# Altium PCB ALCT_MEZ_SPARTAN6T.PcbDoc (part 1 of 12) (continued)
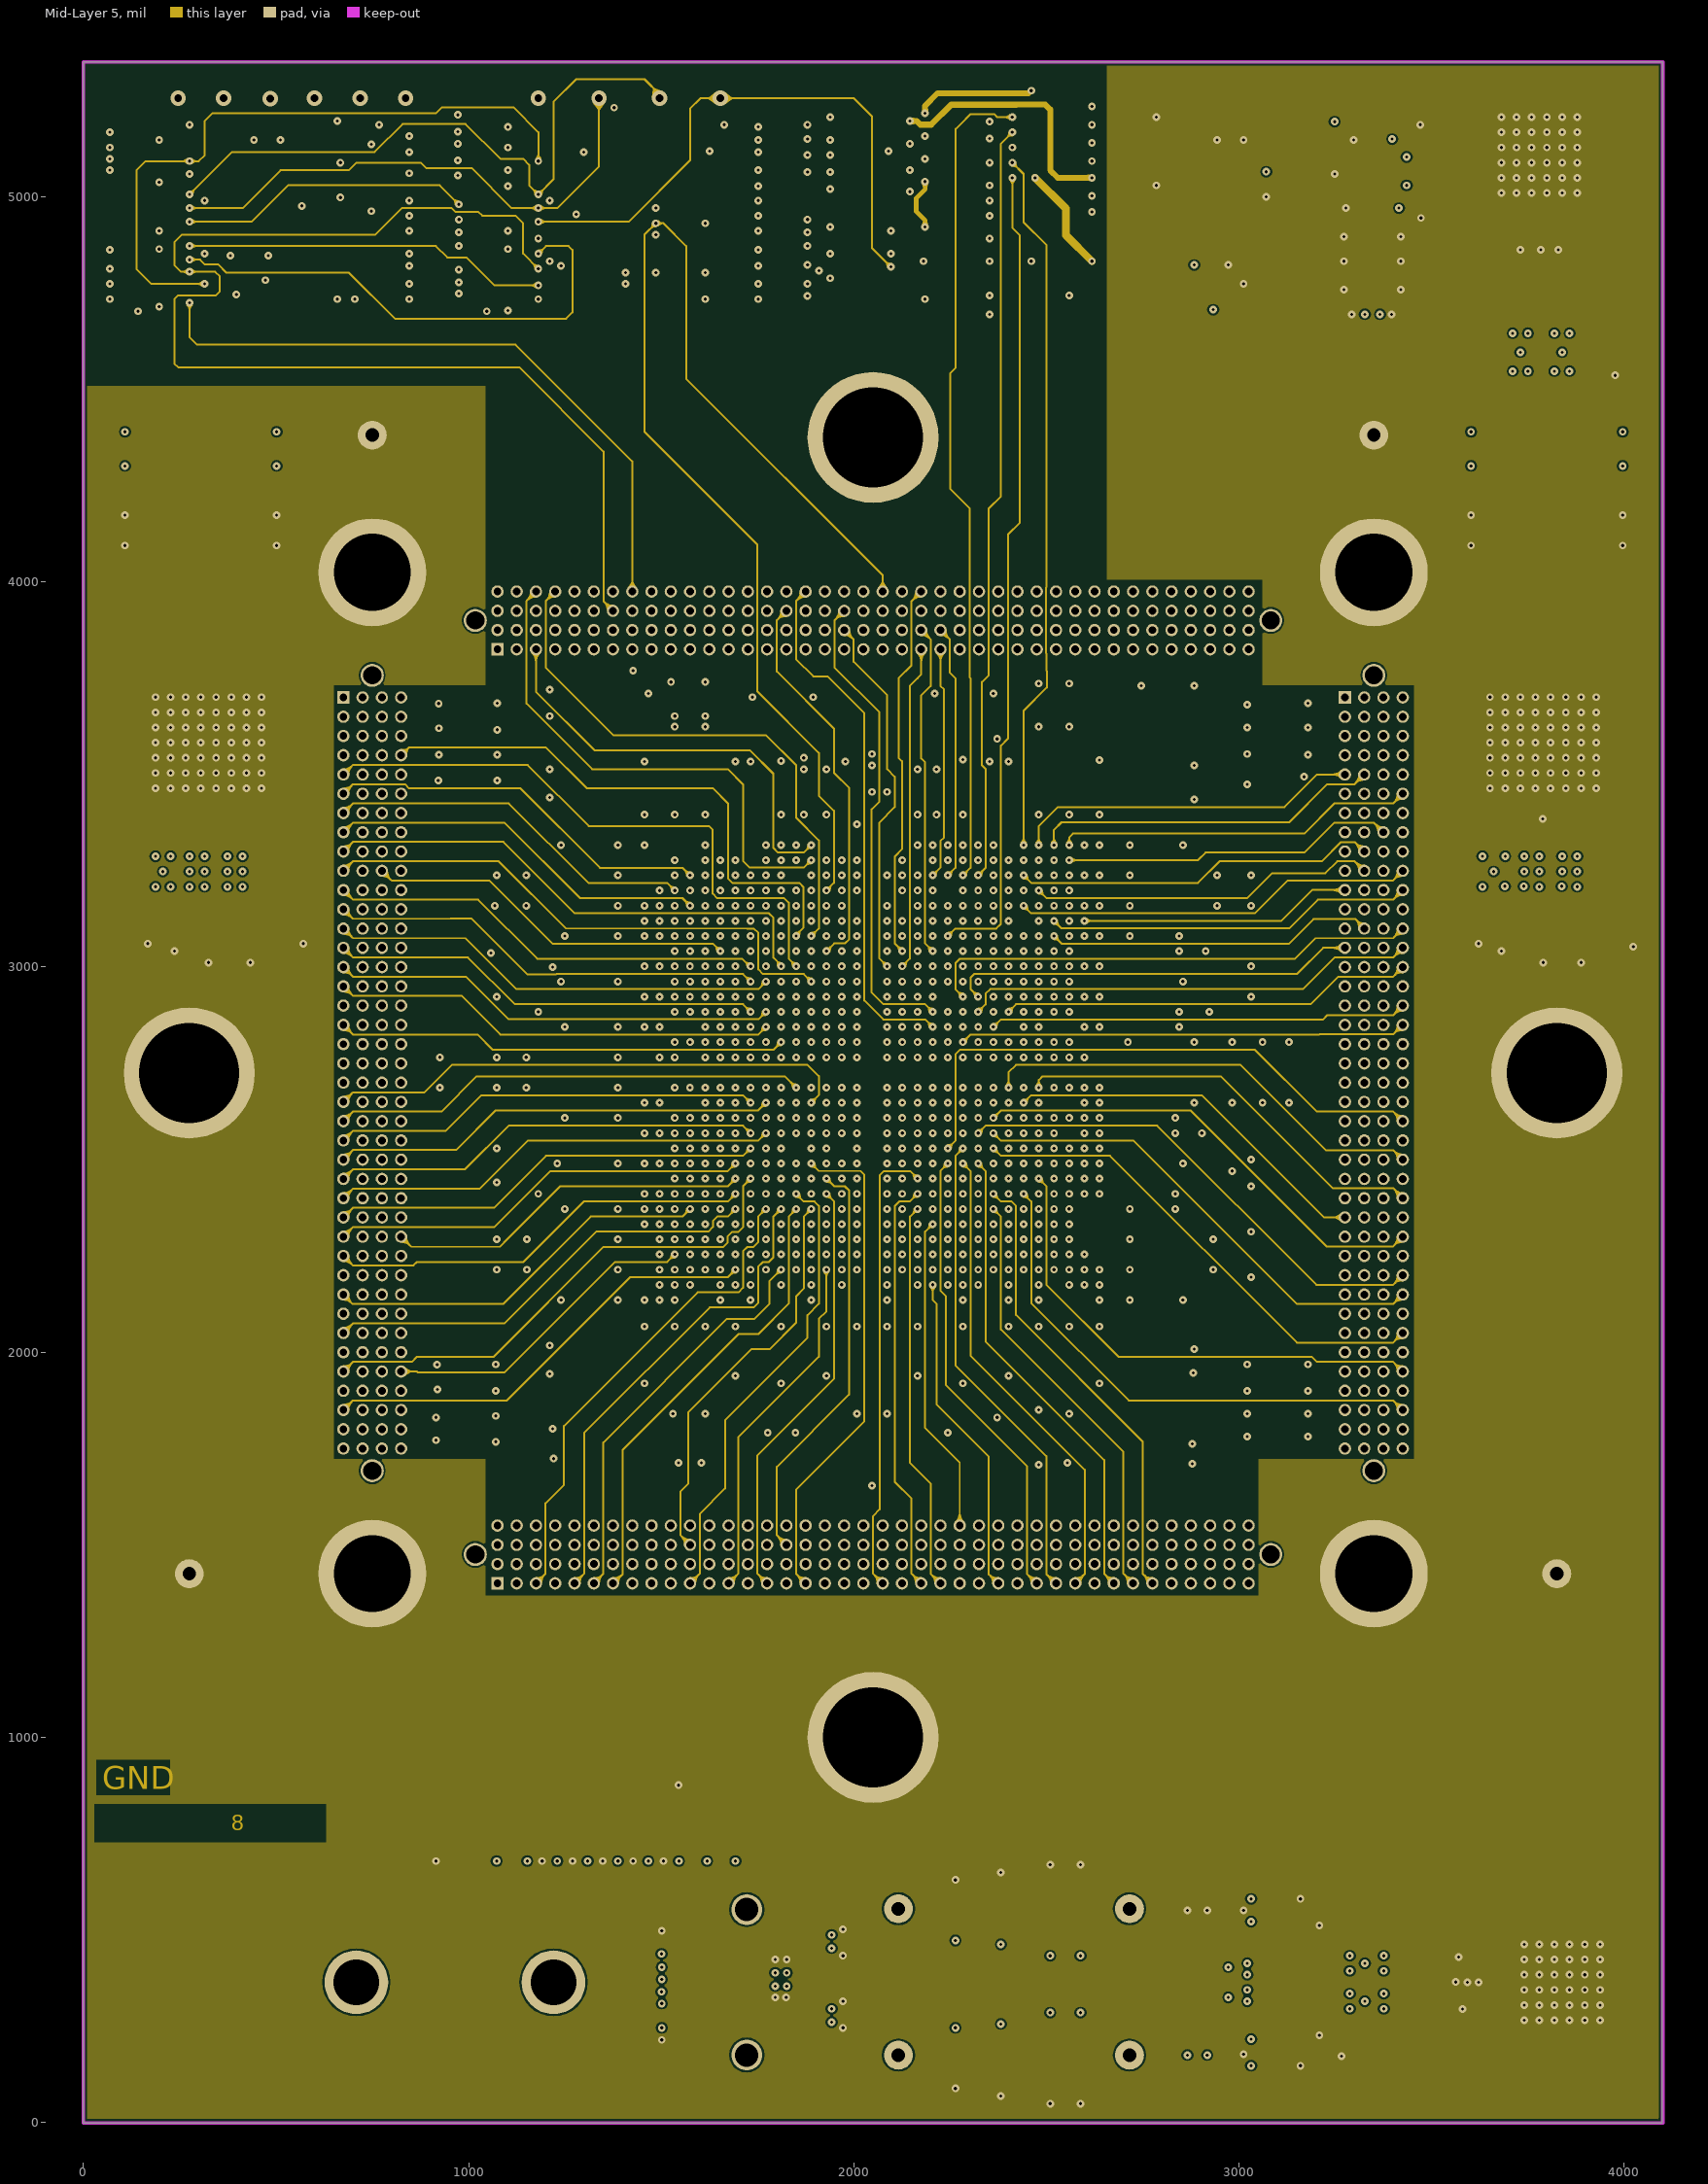
[diagram p8: Mid-Layer 5]
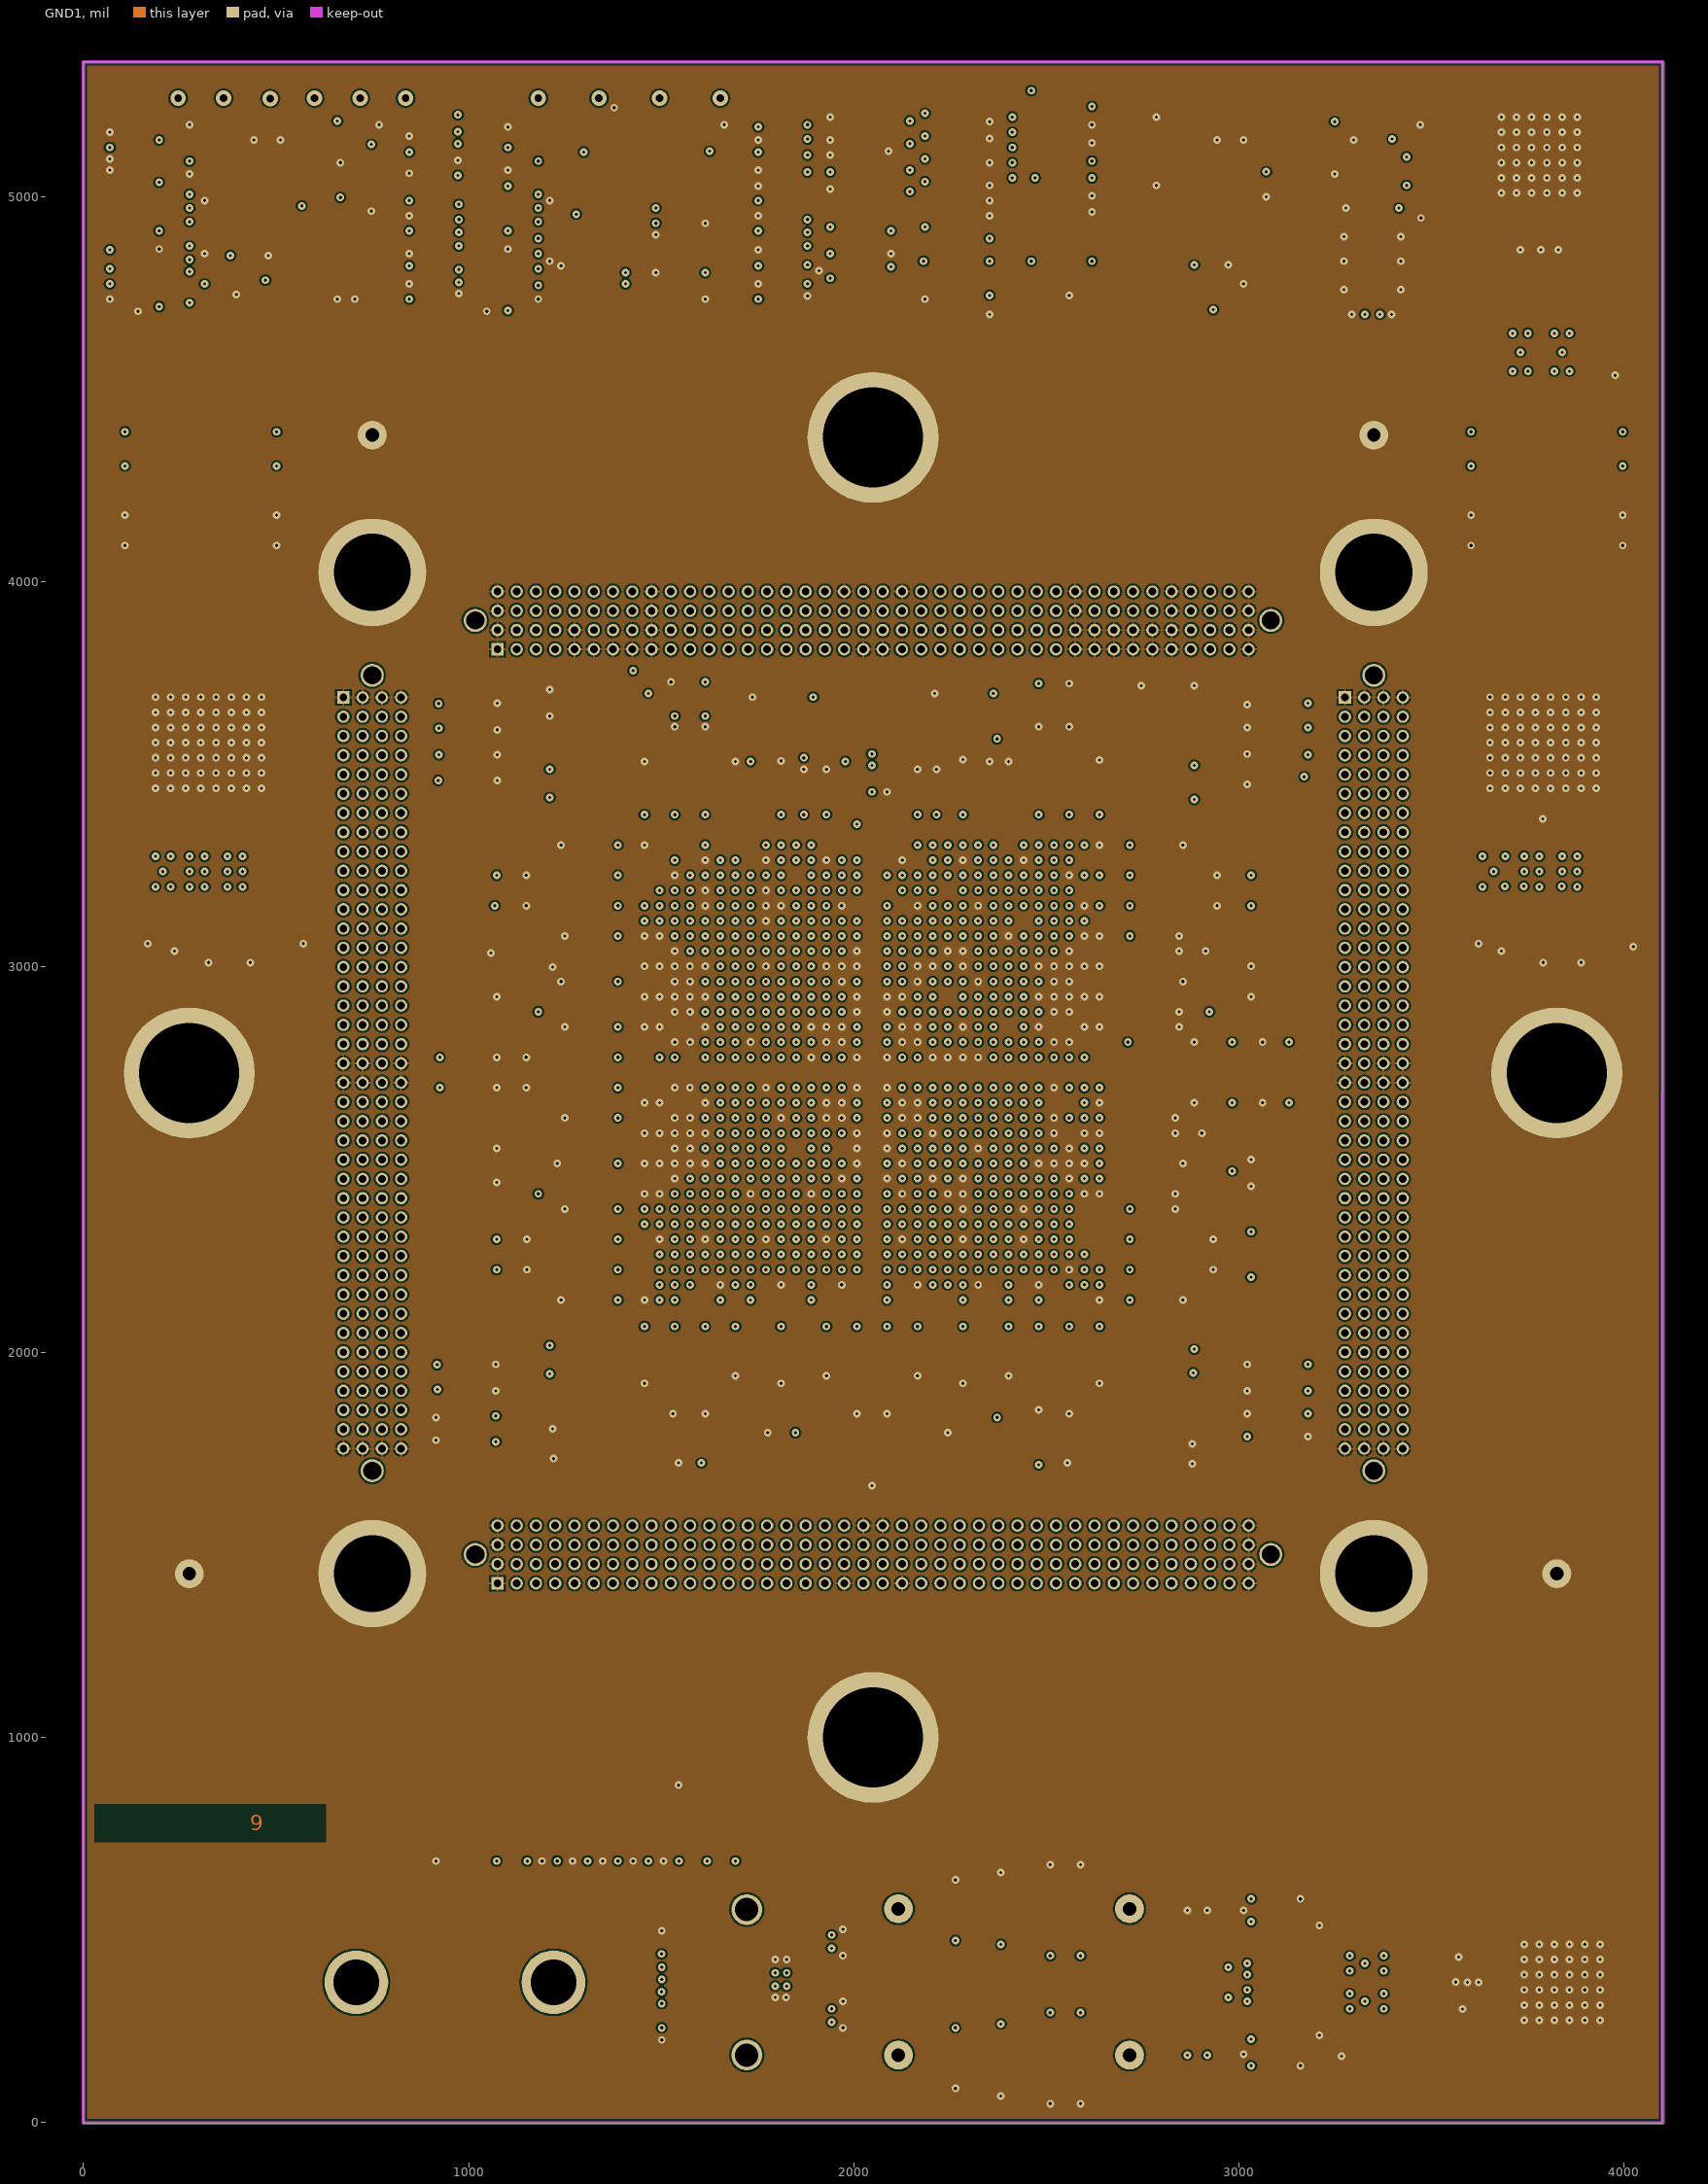
[diagram p9: GND1]
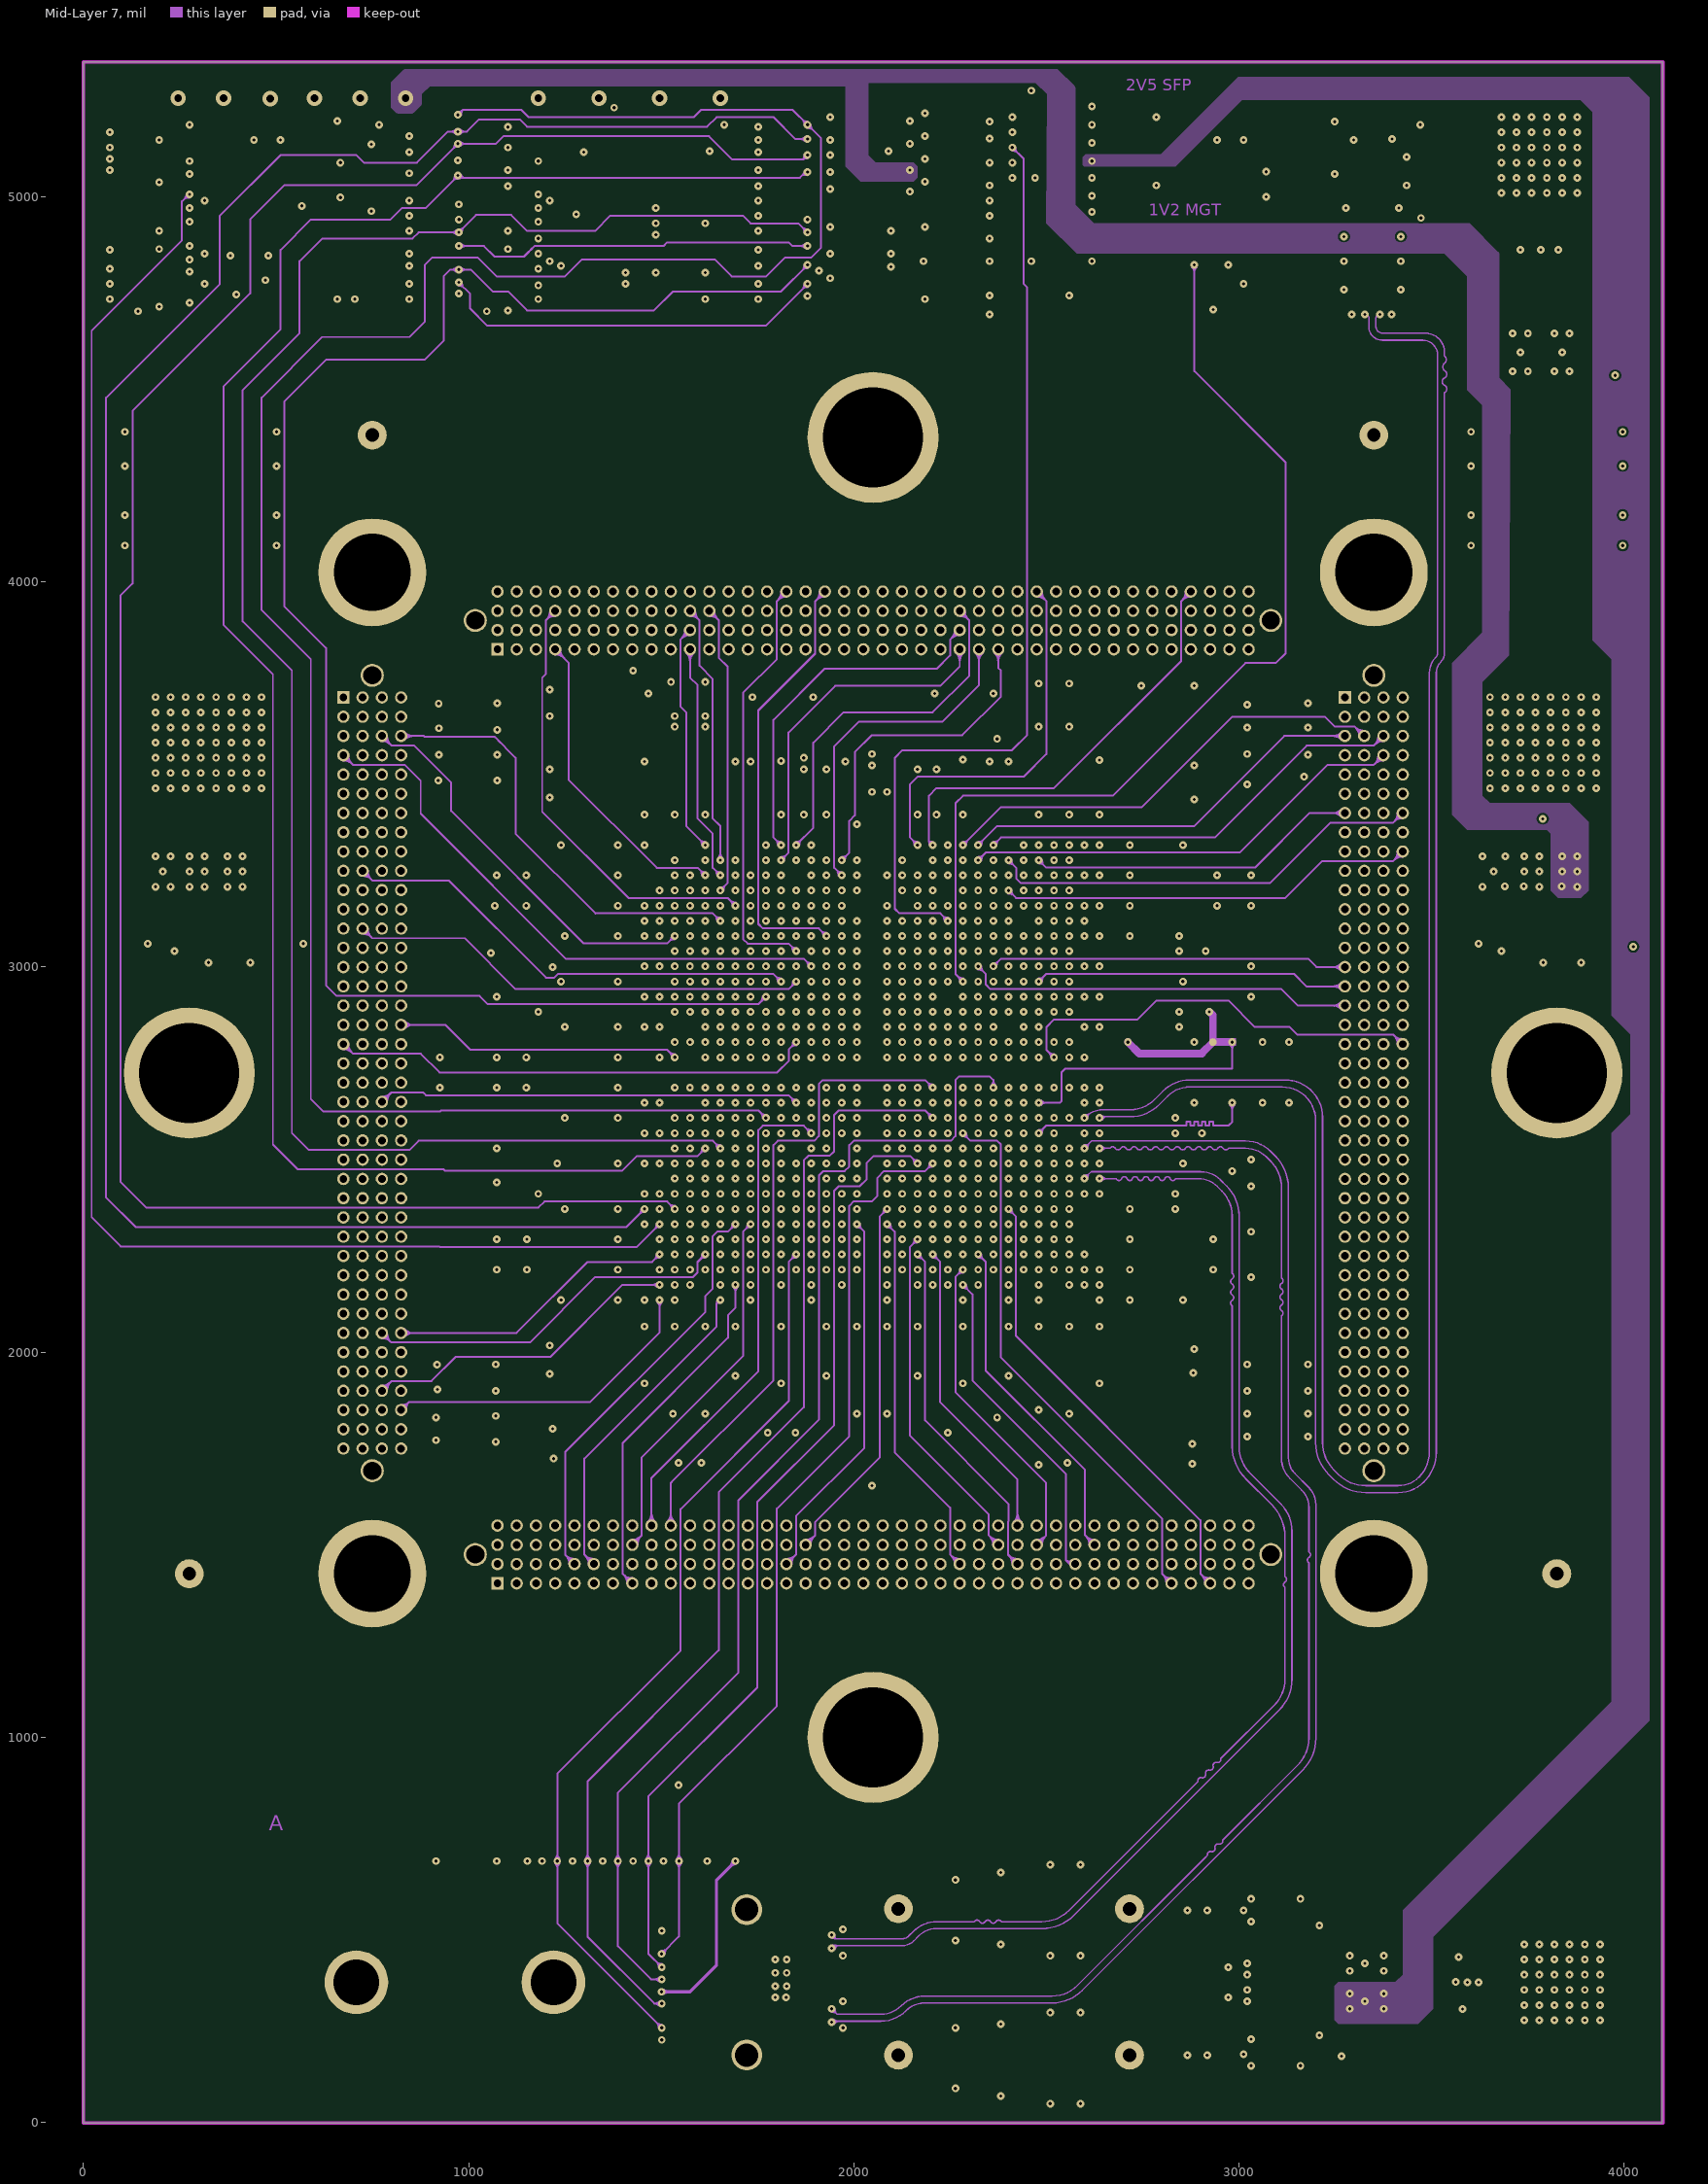
[diagram p10: Mid-Layer 7]
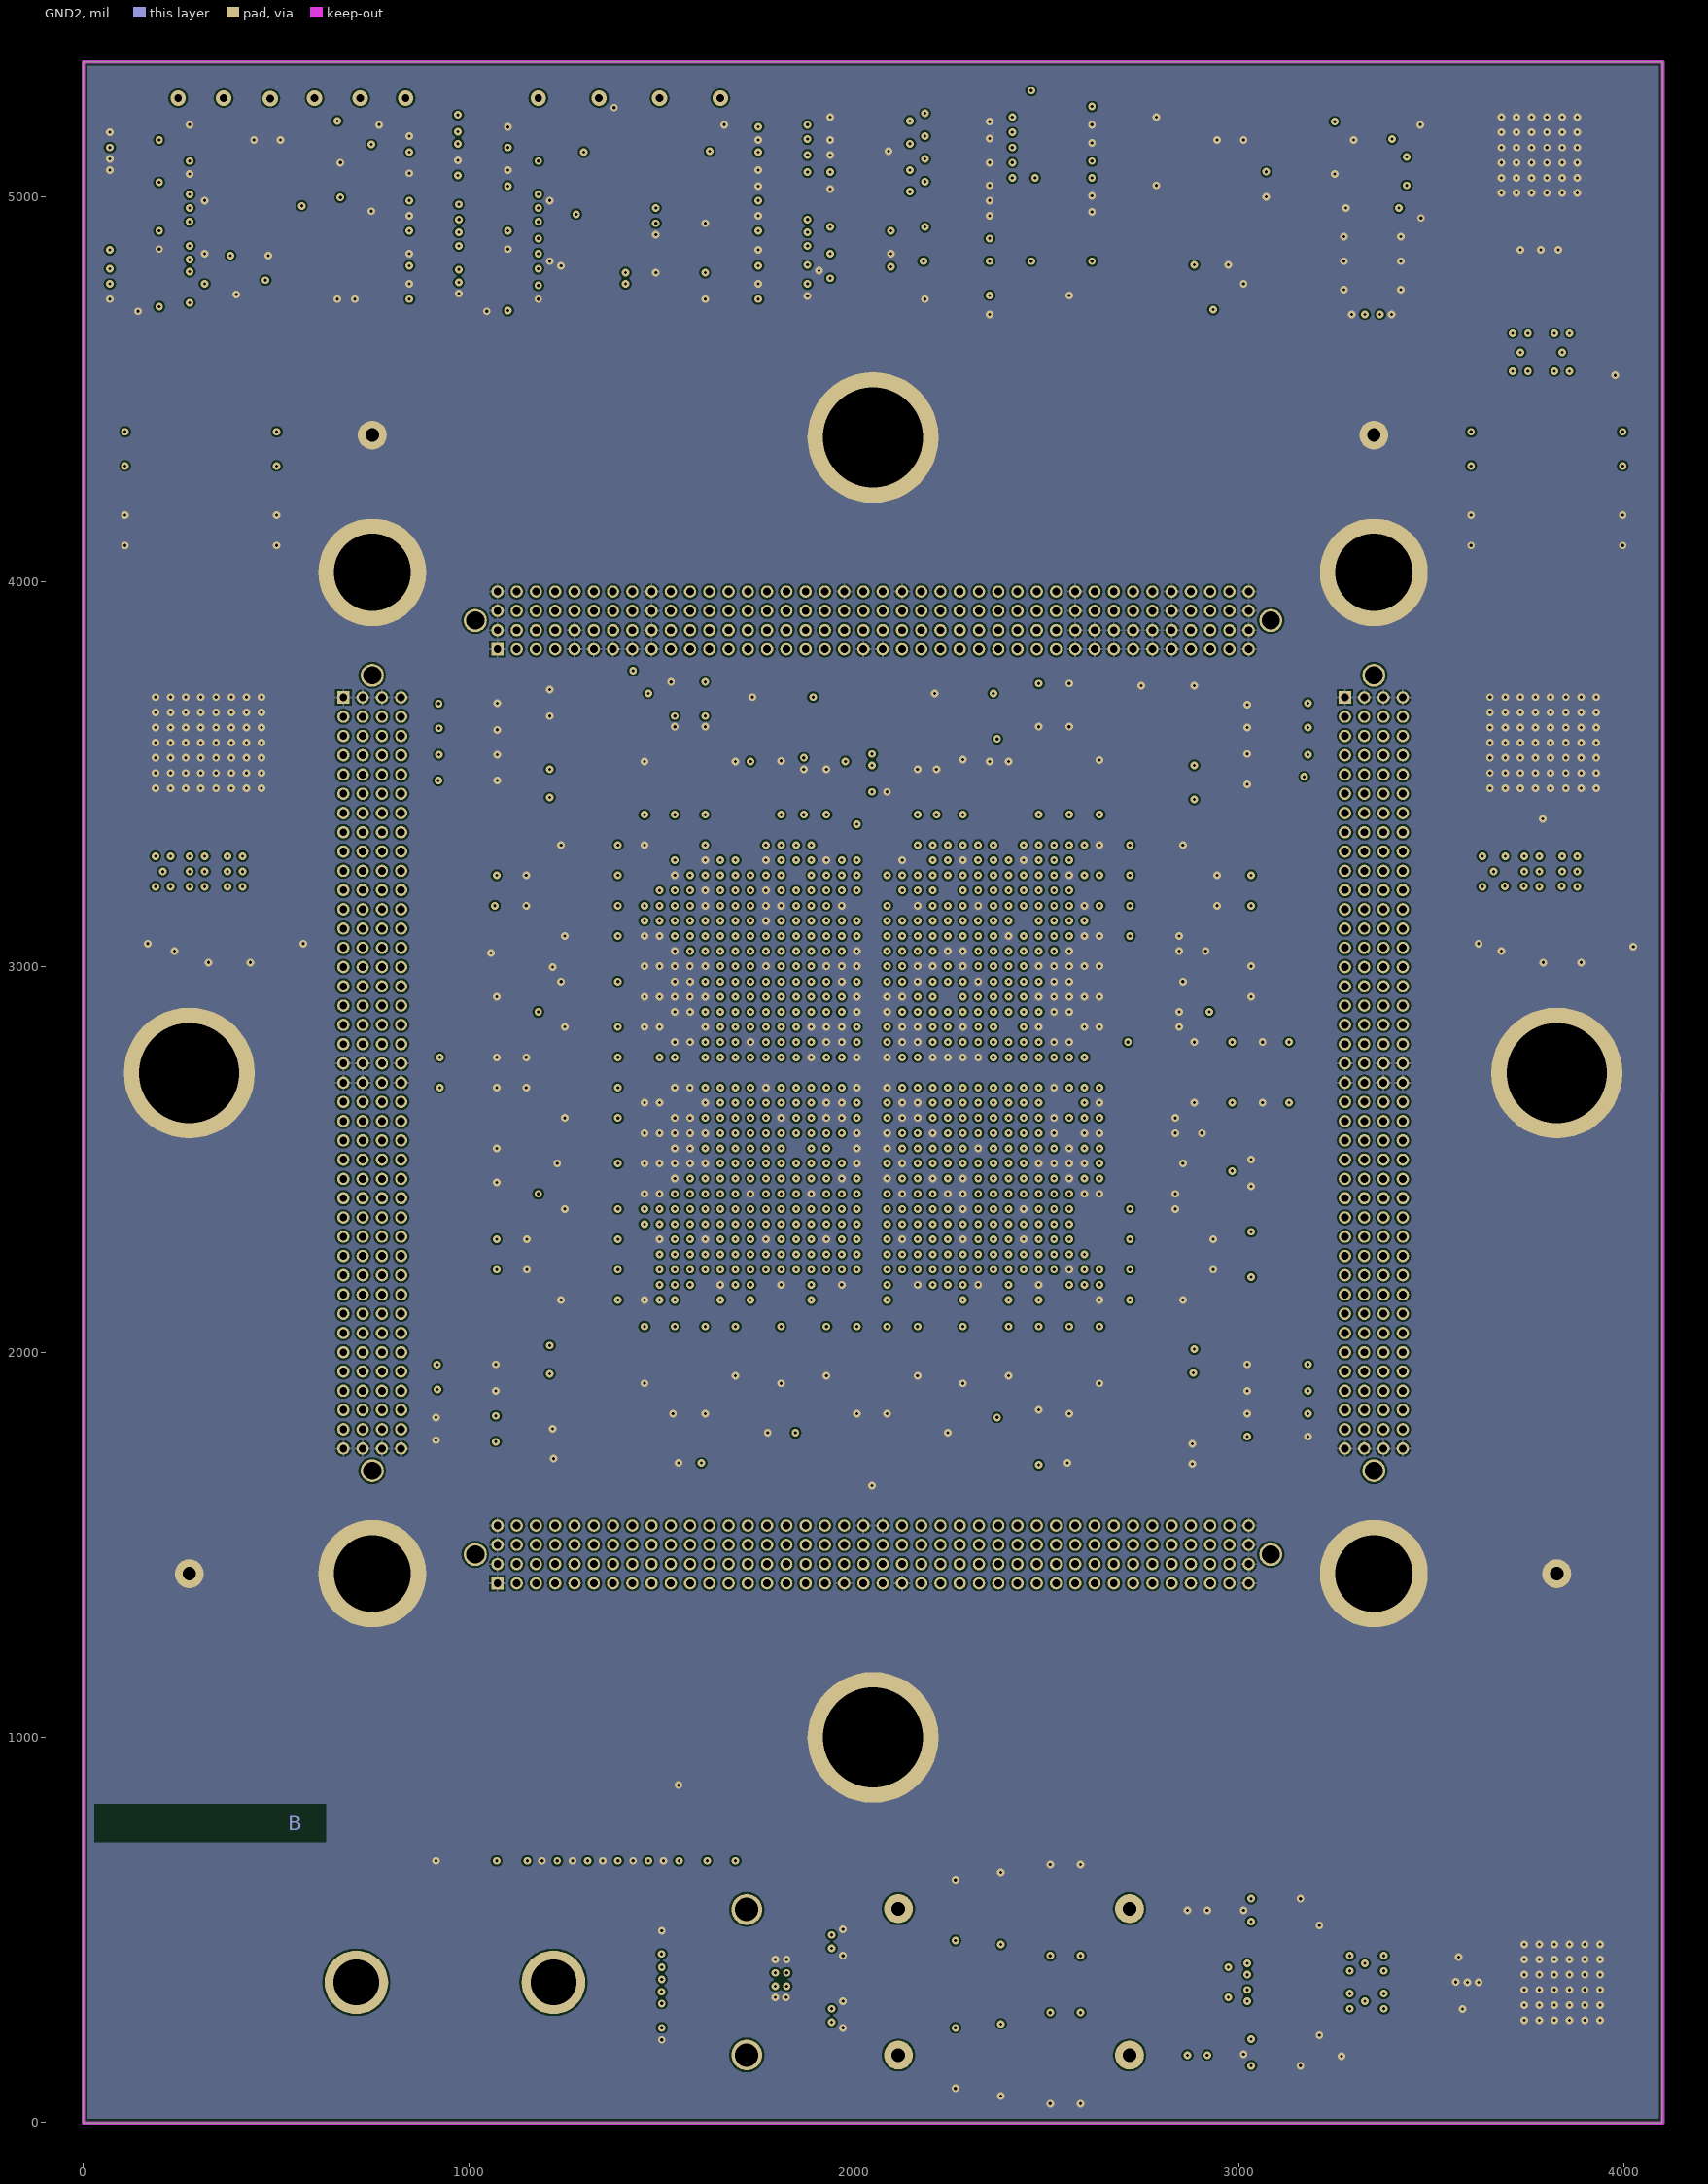
[diagram p11: GND2]